# Altium PCB LPCB235R0.PcbDoc (part 1 of 7) (continued)
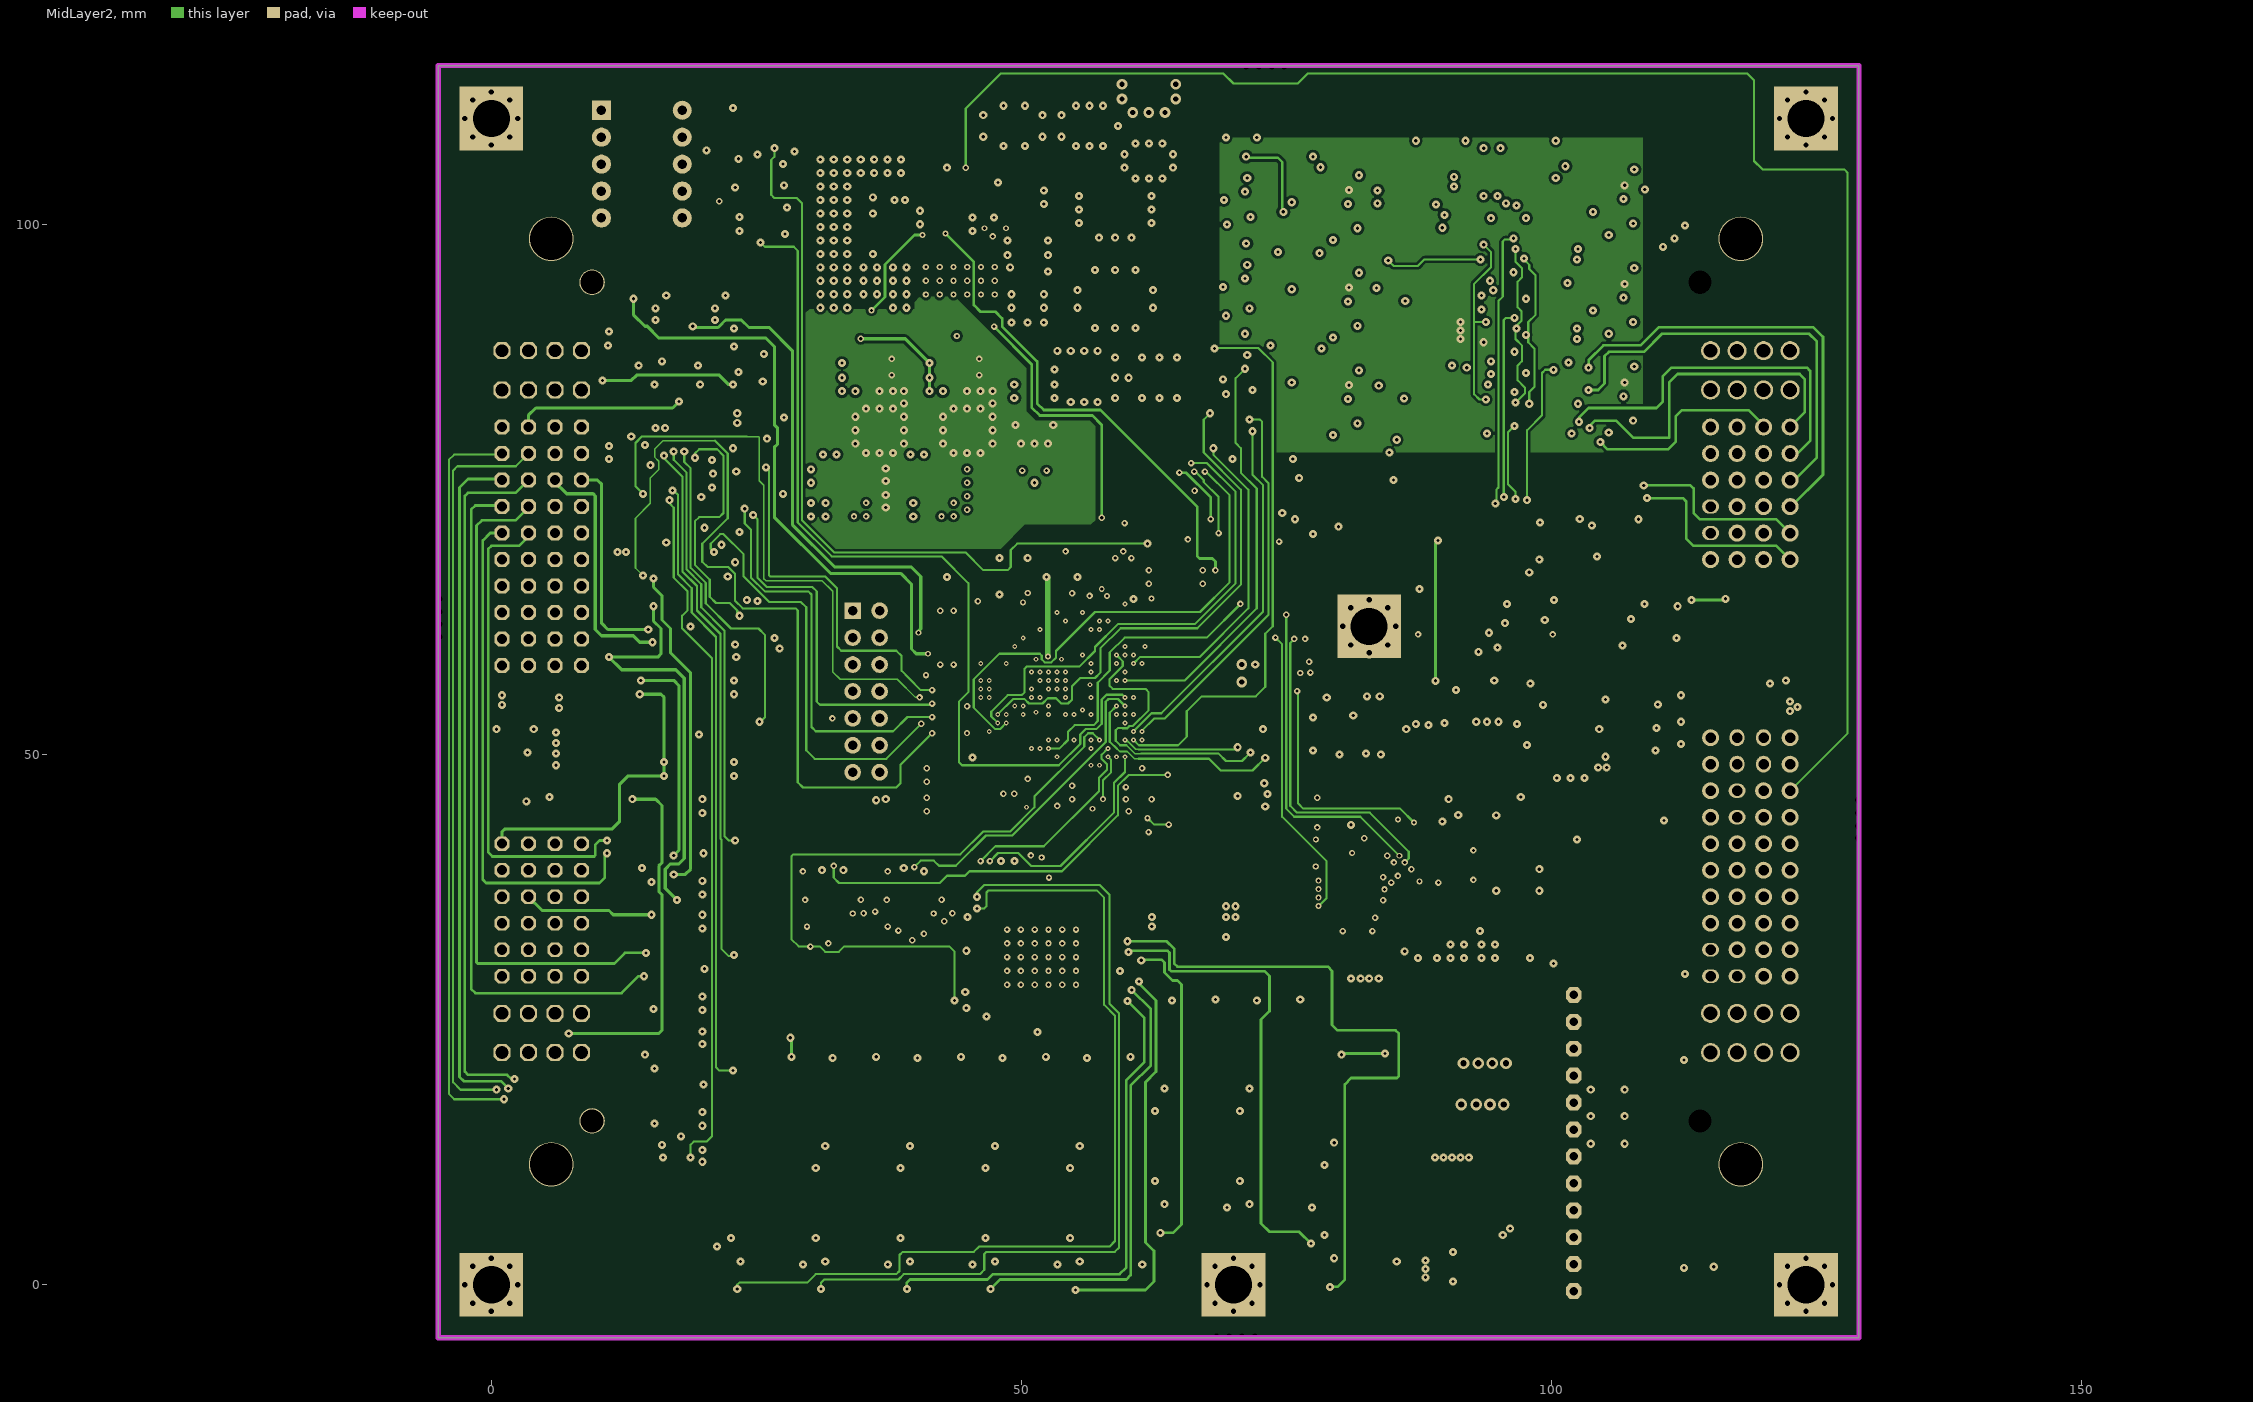
[diagram p4: MidLayer2]
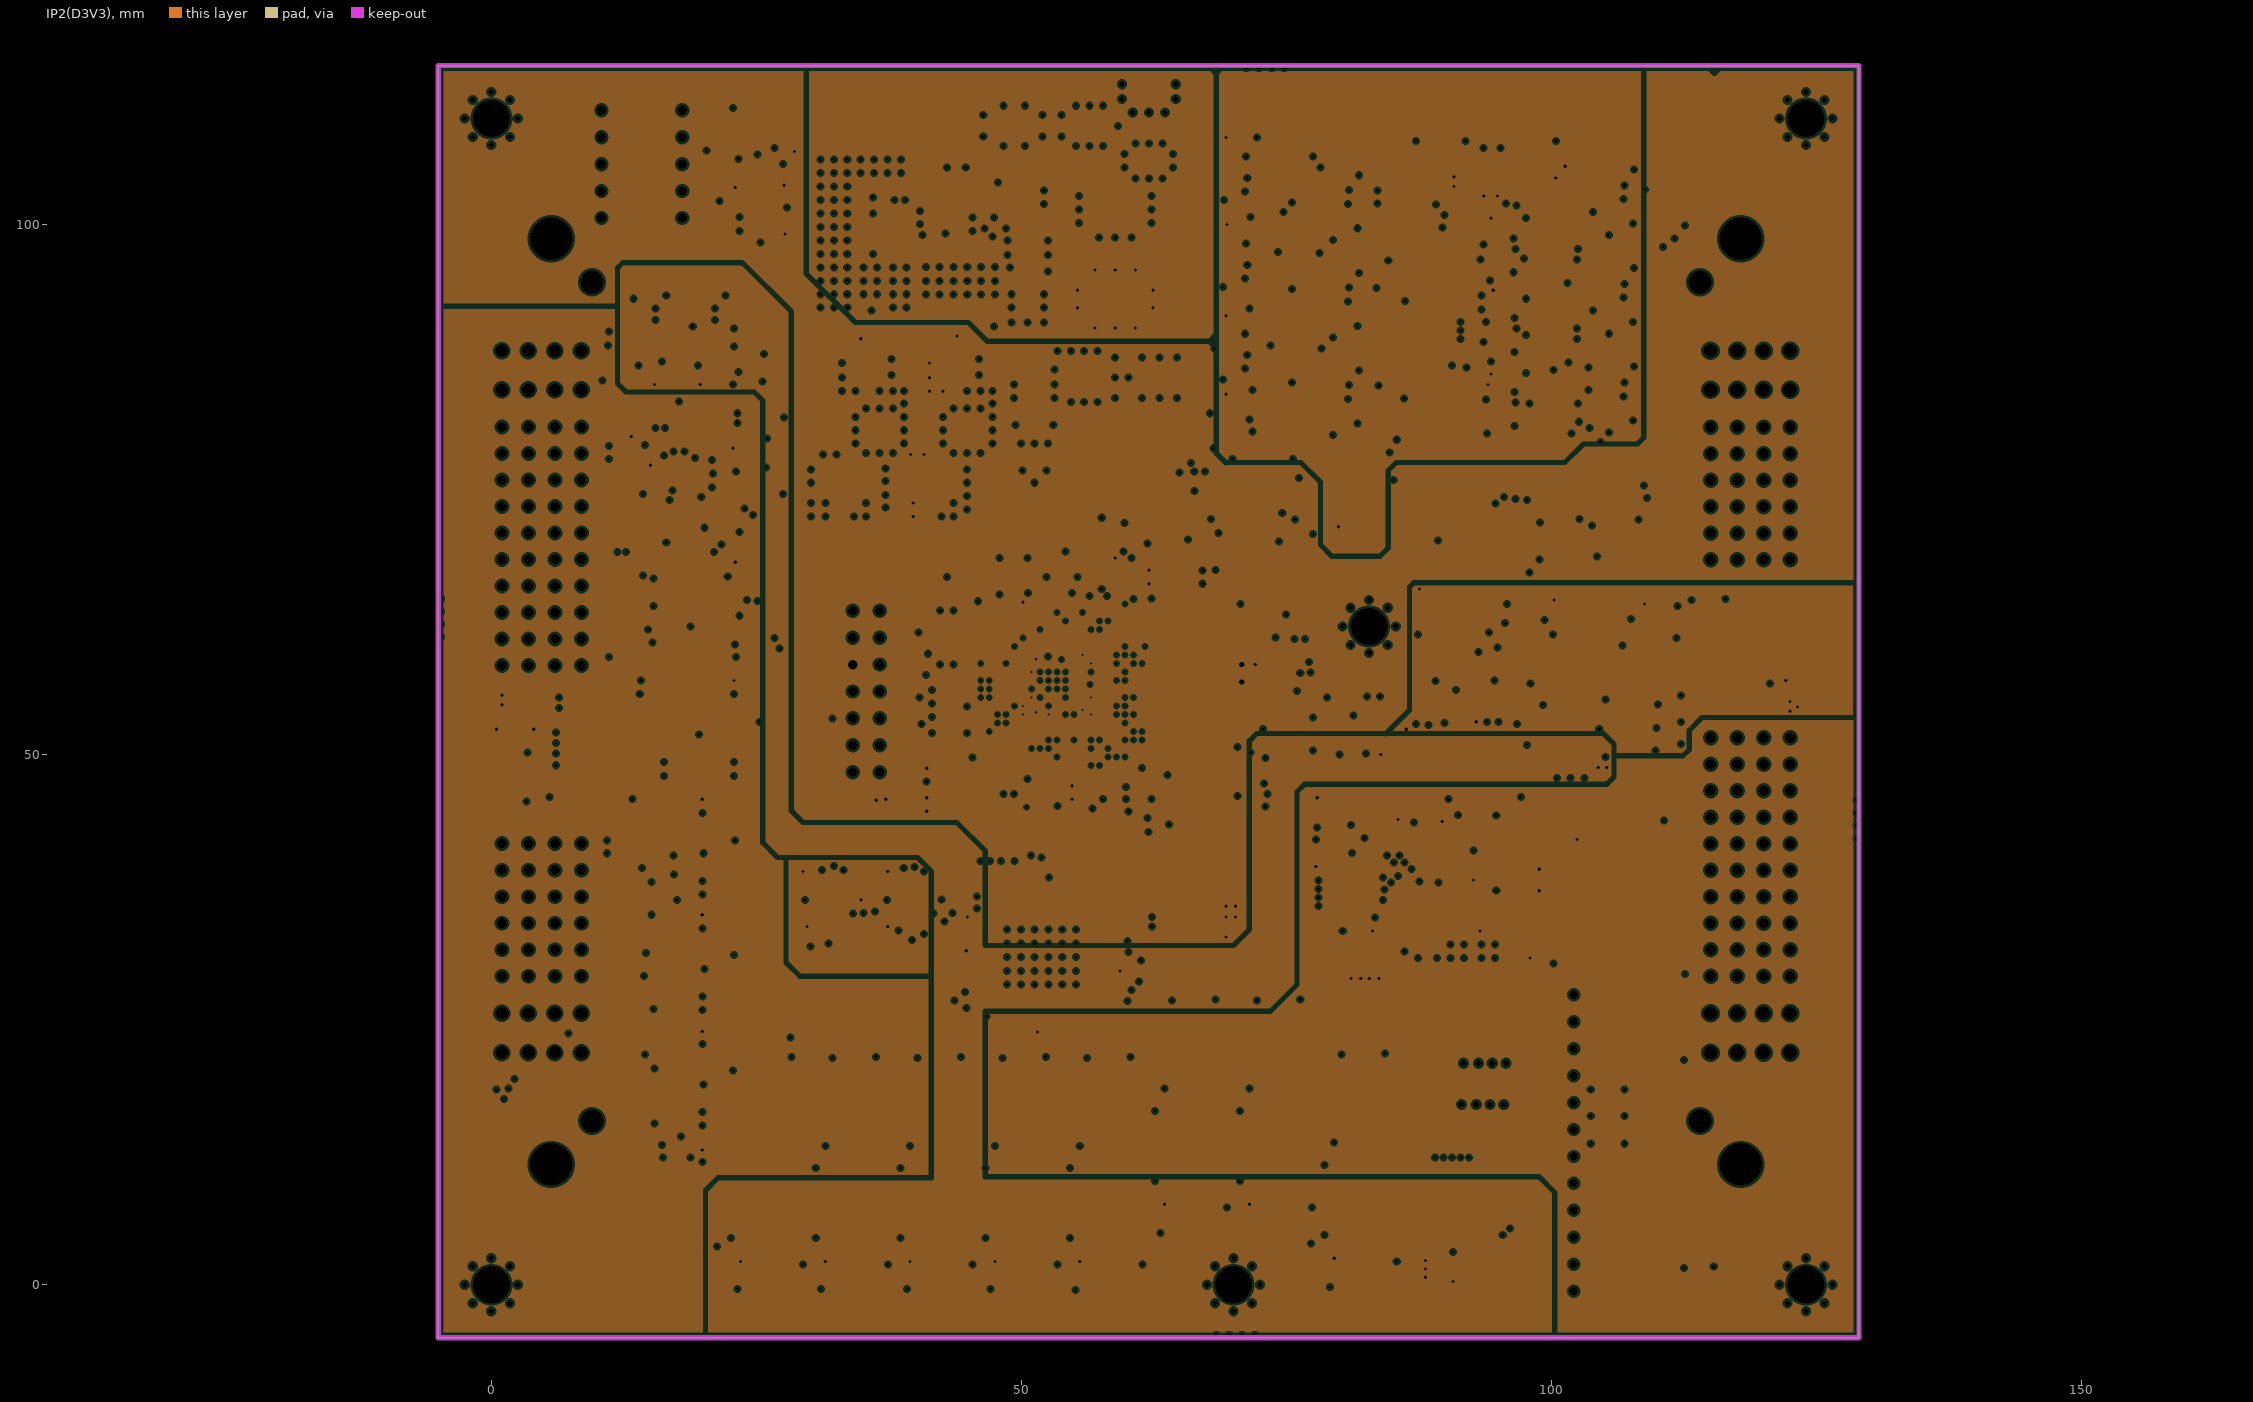
[diagram p5: IP2(D3V3), clearances drawn from the general rule]

## Layer stack, top to bottom
Top Layer: signal copper 0.0356
Dielectric: prepreg 0.3556, FR-4, Dk 4.8
IP1(DGND): plane copper 0.0356, net DGND
Dielectric: core 0.2286, FR-4, Dk 4.8
MidLayer1: signal copper 0.0356
Dielectric: prepreg 0.2413, FR-4, Dk 4.8
MidLayer2: signal copper 0.0356
Dielectric: core 0.2286, FR-4, Dk 4.8
IP2(D3V3): plane copper 0.0356, net (Multiple Nets)
Dielectric: prepreg 0.3556, FR-4, Dk 4.8
Bottom Layer: signal copper 0.0356

## Board outline
-5,-5 -5,115 129,115 129,-5

## Design rules (kind name [scope] priority, off if disabled: settings)
AssemblyTestPointUsage [All] p1 off:
AssemblyTestpoint [All] p1 off: testpointundercomponent=TRUE minsize=1.016 maxsize=2.54 preferedsize=1.524 minholesize=0 maxholesize=1.016 preferedholesize=0.813 testpointgrid=0.025 usegrid=TRUE gridtolerance=0 allowsidetop=TRUE allowsidebottom=TRUE
Clearance Diff_P [(InDifferentialPairClass('All Differential Pairs'))] p1: gap=0.152
Clearance BGA [(InComponentClass('BGA0.8'))] p2: gap=0.147
Clearance Clearance_poly [INPolygon] p3: gap=0.254
Clearance [All] p4: gap=0.178
ComponentClearance [All] p1 off: gap=0.1 collisioncheckmode=3 verticalgap=0.254 showdistances=FALSE
DiffPairsRouting [All] p1: maxlimit=0.152 minlimit=0.152 mostfreqgap=0.152 maxuncoupledlength=19.05
FabricationTestPointUsage TestPointUsage [All] p1 off: valid=0 allowmultiple=FALSE
FabricationTestpoint Testpoint [All] p1 off: side=3 testpointundercomponent=TRUE minsize=1.016 maxsize=2.54 preferedsize=1.524 minholesize=0 maxholesize=1.016 preferedholesize=0.813 testpointgrid=0.025 allowsidetop=TRUE allowsidebottom=TRUE usegrid=TRUE gridtolerance=0
Height [All] p1 off: minheight=0 maxheight=25.4 prefheight=12.7
HoleSize [All] p1: absolutevalues=TRUE maxlimit=9.2 minlimit=0.025 maxpercent=80.000 minpercent=20.000
MinimumSolderMaskSliver [All] p1 off: minsoldermaskwidth=0.051
PlaneClearance [All] p1: clearance=0.229
PlaneConnect PlaneConnect_Direct [(InPadClass('Direct_Plane'))] p1: planeconnectstyle=Direct reliefexpansion=0.508 reliefentries=4 reliefconductorwidth=0.254 reliefairgap=0.254
PlaneConnect PlaneConnect_Via [isvia] p2: planeconnectstyle=Direct reliefexpansion=0.508 reliefentries=4 reliefconductorwidth=0.254 reliefairgap=0.254
PlaneConnect [All] p3: planeconnectstyle=Relief reliefexpansion=0.508 reliefentries=4 reliefconductorwidth=0.254 reliefairgap=0.254
PolygonConnect PolygonConnect_1 [All vs IsNamedPolygon('SW_Mode')] p1: connectstyle=Direct reliefconductorwidth=0.254 reliefentries=4 polygonreliefangle="90 Angle" airgapwidth=0.254
PolygonConnect PolygonConnect_via [isvia] p2: connectstyle=Direct reliefconductorwidth=0.254 reliefentries=4 polygonreliefangle="90 Angle" airgapwidth=0.254
PolygonConnect [All] p3: connectstyle=Relief reliefconductorwidth=0.254 reliefentries=4 polygonreliefangle="90 Angle" airgapwidth=0.254
RoomDefinition "LPCB235 - RM48 - N2HET" [InComponentClass('LPCB235 - RM48 - N2HET')] p1: confinementstyle=ConfineIn formatcopy=TRUE lockcomponents=FALSE outline 130.2,-3.5 133.1,-3.5 133.1,-0.4 130.2,-0.4
RoomDefinition "LPCB235 - RM48 - ANALOG" [InComponentClass('LPCB235 - RM48 - ANALOG')] p2: confinementstyle=ConfineIn formatcopy=TRUE lockcomponents=FALSE outline 130.2,-3.5 133.1,-3.5 133.1,-0.4 130.2,-0.4
RoomDefinition "U_LPCB235 - HEC5-8" [InComponentClass('U_LPCB235 - HEC5-8')] p3: confinementstyle=ConfineIn formatcopy=TRUE lockcomponents=FALSE outline -47.2,-81.2 3.6,-81.2 3.6,-55.8 -47.2,-55.8
RoomDefinition "U_LPCB235 - HEC1-4" [InComponentClass('U_LPCB235 - HEC1-4')] p4: confinementstyle=ConfineIn formatcopy=TRUE lockcomponents=FALSE outline -47.2,-81.2 3.6,-81.2 3.6,-55.8 -47.2,-55.8
RoomDefinition "U_LPCB235 - ASI RS485" [InComponentClass('U_LPCB235 - ASI RS485')] p5: confinementstyle=ConfineIn formatcopy=TRUE lockcomponents=FALSE outline -47.2,-81.2 3.6,-81.2 3.6,-55.8 -47.2,-55.8
RoomDefinition ML2 [InComponentClass('ML2')] p6: confinementstyle=ConfineIn formatcopy=TRUE lockcomponents=FALSE outline 22.6,80.4 22.6,95.9 17.5,95.9 17.5,80.4
RoomDefinition ML1 [InComponentClass('ML1')] p7: confinementstyle=ConfineIn formatcopy=TRUE lockcomponents=FALSE outline 17,80.4 17,95.9 11.9,95.9 11.9,80.4
RoomDefinition "U_LPCB235 - G210 IF AND MUX" [InComponentClass('U_LPCB235 - G210 IF AND MUX')] p8: confinementstyle=ConfineIn formatcopy=TRUE lockcomponents=FALSE outline -47.2,-81.2 3.6,-81.2 3.6,-55.8 -47.2,-55.8
RoomDefinition "U_LPCB235 - WATCHDOG" [InComponentClass('U_LPCB235 - WATCHDOG')] p9: confinementstyle=ConfineIn formatcopy=TRUE lockcomponents=FALSE outline -47.2,-81.2 3.6,-81.2 3.6,-55.8 -47.2,-55.8
RoomDefinition "U_LPCB235 - DAC" [InComponentClass('U_LPCB235 - DAC')] p10: confinementstyle=ConfineIn formatcopy=TRUE lockcomponents=FALSE outline -47.2,-81.2 3.6,-81.2 3.6,-55.8 -47.2,-55.8
RoomDefinition "U_LPCB235 - AUX POWER" [InComponentClass('U_LPCB235 - AUX POWER')] p11: confinementstyle=ConfineIn formatcopy=TRUE lockcomponents=FALSE outline -47.2,-81.2 3.6,-81.2 3.6,-55.8 -47.2,-55.8
RoomDefinition "U_LPCB235 - BRAKE FAILSAFE" [InComponentClass('U_LPCB235 - BRAKE FAILSAFE')] p12: confinementstyle=ConfineIn formatcopy=TRUE lockcomponents=FALSE outline -47.2,-81.2 3.6,-81.2 3.6,-55.8 -47.2,-55.8
RoomDefinition "U_LPCB235 - BRAKE LIMIT SW" [InComponentClass('U_LPCB235 - BRAKE LIMIT SW')] p13: confinementstyle=ConfineIn formatcopy=TRUE lockcomponents=FALSE outline -47.2,-81.2 3.6,-81.2 3.6,-55.8 -47.2,-55.8
RoomDefinition "U_LPCB235 - PUSHER INTERLOCK" [InComponentClass('U_LPCB235 - PUSHER INTERLOCK')] p14: confinementstyle=ConfineIn formatcopy=TRUE lockcomponents=FALSE outline -47.2,-81.2 3.6,-81.2 3.6,-55.8 -47.2,-55.8
RoomDefinition "U_LPCB235 - CONTRAST LASERS" [InComponentClass('U_LPCB235 - CONTRAST LASERS')] p15: confinementstyle=ConfineIn formatcopy=TRUE lockcomponents=FALSE outline -47.2,-81.2 3.6,-81.2 3.6,-55.8 -47.2,-55.8
RoomDefinition "U_LPCB235 - ANALOG CONNECTOR" [InComponentClass('U_LPCB235 - ANALOG CONNECTOR')] p16: confinementstyle=ConfineIn formatcopy=TRUE lockcomponents=FALSE outline -47.2,-81.2 3.6,-81.2 3.6,-55.8 -47.2,-55.8
RoomDefinition "U_LPCB235 - SPI UART - GROUP B1" [InComponentClass('U_LPCB235 - SPI UART - GROUP B1')] p17: confinementstyle=ConfineIn formatcopy=TRUE lockcomponents=FALSE outline -47.2,-81.2 3.6,-81.2 3.6,-55.8 -47.2,-55.8
RoomDefinition TH8 [InComponentClass('TH8')] p18: confinementstyle=ConfineIn formatcopy=TRUE lockcomponents=FALSE outline 29.9,-1.45 29.9,23 22,23 22,-1.45
RoomDefinition TH7 [InComponentClass('TH7')] p19: confinementstyle=ConfineIn formatcopy=TRUE lockcomponents=FALSE outline 37.9,-1.45 37.9,23 30,23 30,-1.45
RoomDefinition TH6 [InComponentClass('TH6')] p20: confinementstyle=ConfineIn formatcopy=TRUE lockcomponents=FALSE outline 45.9,-1.45 45.9,23 38,23 38,-1.45
RoomDefinition TH5 [InComponentClass('TH5')] p21: confinementstyle=ConfineIn formatcopy=TRUE lockcomponents=FALSE outline 53.9,-1.45 53.9,23 46,23 46,-1.45
RoomDefinition TH4 [InComponentClass('TH4')] p22: confinementstyle=ConfineIn formatcopy=TRUE lockcomponents=FALSE outline 61.9,-1.45 61.9,23 54,23 54,-1.45
RoomDefinition TH3 [InComponentClass('TH3')] p23: confinementstyle=ConfineIn formatcopy=TRUE lockcomponents=FALSE outline 69.9,3.95 69.9,28.4 62,28.4 62,3.95
RoomDefinition TH2 [InComponentClass('TH2')] p24: confinementstyle=ConfineIn formatcopy=TRUE lockcomponents=FALSE outline 77.9,3.95 77.9,28.4 70,28.4 70,3.95
RoomDefinition TH1 [InComponentClass('TH1')] p25: confinementstyle=ConfineIn formatcopy=TRUE lockcomponents=FALSE outline 85.9,-1.15 85.9,23.3 78,23.3 78,-1.15
RoomDefinition "U_LPCB235 - SPI UART - GROUP B" [InComponentClass('U_LPCB235 - SPI UART - GROUP B')] p26: confinementstyle=ConfineIn formatcopy=TRUE lockcomponents=FALSE outline 68.225,84.625 77.125,84.625 77.125,109.425 68.225,109.425
RoomDefinition OGB3 [InComponentClass('OGB3')] p27: confinementstyle=ConfineIn formatcopy=TRUE lockcomponents=FALSE outline 77.2,96.7 86.4,96.7 86.4,105.9 77.2,105.9
RoomDefinition OGB2 [InComponentClass('OGB2')] p28: confinementstyle=ConfineIn formatcopy=TRUE lockcomponents=FALSE outline 77.2,87.5 86.4,87.5 86.4,96.7 77.2,96.7
RoomDefinition OGB1 [InComponentClass('OGB1')] p29: confinementstyle=ConfineIn formatcopy=TRUE lockcomponents=FALSE outline 77.2,78.3 86.4,78.3 86.4,87.5 77.2,87.5
RoomDefinition OGA3 [InComponentClass('OGA3')] p30: confinementstyle=ConfineIn formatcopy=TRUE lockcomponents=FALSE outline 103.4,106.2 103.4,96.9 112.3,96.9 112.3,106.2
RoomDefinition OGA2 [InComponentClass('OGA2')] p31: confinementstyle=ConfineIn formatcopy=TRUE lockcomponents=FALSE outline 103.4,96.9 103.4,87.6 112.3,87.6 112.3,96.9
RoomDefinition OGA1 [InComponentClass('OGA1')] p32: confinementstyle=ConfineIn formatcopy=TRUE lockcomponents=FALSE outline 103.4,87.6 103.4,78.3 112.3,78.3 112.3,87.6
RoomDefinition "U_LPCB235 - SPI UART - GROUP A" [InComponentClass('U_LPCB235 - SPI UART - GROUP A')] p33: confinementstyle=ConfineIn formatcopy=TRUE lockcomponents=FALSE outline 86.4,78.3 103.2,78.3 103.2,107.875 86.4,107.875
RoomDefinition "U_LPCB235 - MECHANICAL" [InComponentClass('U_LPCB235 - MECHANICAL')] p34: confinementstyle=ConfineIn formatcopy=TRUE lockcomponents=FALSE outline -47.2,-81.2 3.6,-81.2 3.6,-55.8 -47.2,-55.8
RoomDefinition "LPCB235 - RM48 - SERIAL" [InComponentClass('LPCB235 - RM48 - SERIAL')] p35: confinementstyle=ConfineIn formatcopy=TRUE lockcomponents=FALSE outline -47.2,-81.2 3.6,-81.2 3.6,-55.8 -47.2,-55.8
RoomDefinition "LPCB235 - POWER MANAGEMENT" [InComponentClass('LPCB235 - POWER MANAGEMENT')] p36: confinementstyle=ConfineIn formatcopy=TRUE lockcomponents=FALSE outline -47.2,-81.2 3.6,-81.2 3.6,-55.8 -47.2,-55.8
RoomDefinition "LPCB235 - MAGNETICS" [InComponentClass('LPCB235 - MAGNETICS')] p37: confinementstyle=ConfineIn formatcopy=TRUE lockcomponents=FALSE outline -47.2,-81.2 3.6,-81.2 3.6,-55.8 -47.2,-55.8
RoomDefinition "LPCB235 - IO Connector" [InComponentClass('LPCB235 - IO Connector')] p38: confinementstyle=ConfineIn formatcopy=TRUE lockcomponents=FALSE outline -47.2,-81.2 3.6,-81.2 3.6,-55.8 -47.2,-55.8
RoomDefinition "LPCB235 - IMU" [InComponentClass('LPCB235 - IMU')] p39: confinementstyle=ConfineIn formatcopy=TRUE lockcomponents=FALSE outline -47.2,-81.2 3.6,-81.2 3.6,-55.8 -47.2,-55.8
RoomDefinition "LPCB235 - CAN Interface" [InComponentClass('LPCB235 - CAN Interface')] p40: confinementstyle=ConfineIn formatcopy=TRUE lockcomponents=FALSE outline -47.2,-81.2 3.6,-81.2 3.6,-55.8 -47.2,-55.8
RoomDefinition "LPCB235 - RM48 - 100BASET" [InComponentClass('LPCB235 - RM48 - 100BASET')] p41: confinementstyle=ConfineOut formatcopy=TRUE lockcomponents=FALSE outline -31.96,-10.08 -19.26,-10.08 -19.26,-7.54 -31.96,-7.54
RoomDefinition "LPCB235 - RM48 - POWER" [InComponentClass('LPCB235 - RM48 - POWER')] p42: confinementstyle=ConfineOut formatcopy=TRUE lockcomponents=FALSE outline -31.96,-15.16 -19.26,-15.16 -19.26,-12.62 -31.96,-12.62
RoomDefinition "LPCB235 - RM48 - MAIN" [InComponentClass('LPCB235 - RM48 - MAIN')] p43: confinementstyle=ConfineOut formatcopy=TRUE lockcomponents=FALSE outline -31.96,-12.62 -19.26,-12.62 -19.26,-10.08 -31.96,-10.08
RoutingVias [All] p1: holewidth=0.3 width=0.61 viastyle="Through Hole" minholewidth=0.2 minwidth=0.457 maxholewidth=0.7 maxwidth=1.27
ShortCircuit ShortCircuit_1 [All] p1: allowed=FALSE
ShortCircuit [All] p2: allowed=FALSE
SilkToSilkClearance [All] p1 off: silktosilkclearance=0.254
SilkToSolderMaskClearance SilkscreenOverComponentPads [IsPad] p1: minsilkscreentomaskgap=0.025 clearancetoexposedcopper=TRUE
SolderMaskExpansion [All] p1: expansion=0.051
Width Width_1 [(InDifferentialPairClass('All Differential Pairs'))] p1: maxlimit=0.356 minlimit=0.356 preferedwidth=0.356
Width [All] p2: maxlimit=2.54 minlimit=0.152 preferedwidth=0.203
14 further rules are at their usual default settings.

## Classes and differential pairs
component class "LPCB235 - RM48 - N2HET": TP13 TP22 TP23
component class "LPCB235 - RM48 - ANALOG": TP12
net class MLP_A[1..2]: MLP_A1 MLP_A2
component class "U_LPCB235 - HEC5-8": C84 C85 C86 C90 C91 C92 C93 C94 IC29 IC30 IC31 IC40 R37 R38 R49 R57
component class "U_LPCB235 - HEC1-4": C22 C23 C75 C76 C77 C78 C79 C83 IC18 IC25 IC26 IC28 R30 R33 R34 R35 R36
component class "U_LPCB235 - ASI RS485": C3 C4 IC5 IC17 R9 R31 R32
component class BGA0.8: IC14
component class "U_LPCB235 - G210 IF AND MUX": C140 IC46
component class "U_LPCB235 - WATCHDOG": C137 IC42 R89
channel class "LPCB235 - HE ISO CHANNEL": TH1 TH2 TH3 TH4 TH5 TH6 TH7 TH8
net class HEC_SIG[1..8]: HEC_SIG1 HEC_SIG2 HEC_SIG3 HEC_SIG4 HEC_SIG5 HEC_SIG6 HEC_SIG7 HEC_SIG8
net class HEC_GND[1..8]: HEC_GND1 HEC_GND2 HEC_GND3 HEC_GND4 HEC_GND5 HEC_GND6 HEC_GND7 HEC_GND8
net class HEC_5V[1..8]: HEC_5V1 HEC_5V2 HEC_5V3 HEC_5V4 HEC_5V5 HEC_5V6 HEC_5V7 HEC_5V8
component class TH8: C128_TH8 C129_TH8 C134_TH8 IC38_TH8 IC39_TH8 R79_TH8 R80_TH8 R81_TH8 R82_TH8 R86_TH8 R87_TH8 R88_TH8
component class TH7: C128_TH7 C129_TH7 C134_TH7 IC38_TH7 IC39_TH7 R79_TH7 R80_TH7 R81_TH7 R82_TH7 R86_TH7 R87_TH7 R88_TH7
component class TH6: C128_TH6 C129_TH6 C134_TH6 IC38_TH6 IC39_TH6 R79_TH6 R80_TH6 R81_TH6 R82_TH6 R86_TH6 R87_TH6 R88_TH6
component class TH5: C128_TH5 C129_TH5 C134_TH5 IC38_TH5 IC39_TH5 R79_TH5 R80_TH5 R81_TH5 R82_TH5 R86_TH5 R87_TH5 R88_TH5
component class TH4: C128_TH4 C129_TH4 C134_TH4 IC38_TH4 IC39_TH4 R79_TH4 R80_TH4 R81_TH4 R82_TH4 R86_TH4 R87_TH4 R88_TH4
component class TH3: C128_TH3 C129_TH3 C134_TH3 IC38_TH3 IC39_TH3 R79_TH3 R80_TH3 R81_TH3 R82_TH3 R86_TH3 R87_TH3 R88_TH3
component class TH2: C128_TH2 C129_TH2 C134_TH2 IC38_TH2 IC39_TH2 R79_TH2 R80_TH2 R81_TH2 R82_TH2 R86_TH2 R87_TH2 R88_TH2
component class TH1: C128_TH1 C129_TH1 C134_TH1 IC38_TH1 IC39_TH1 R79_TH1 R80_TH1 R81_TH1 R82_TH1 R86_TH1 R87_TH1 R88_TH1
component class "U_LPCB235 - BRAKE LIMIT SW": C130 C131 C132 C133 C145 C146 C147 C148 IC43 IC52
component class "LPCB235 - RM48 - SERIAL": R84 R85 TP36 TP37 TP38
component class "LPCB235 - RM48 - POWER": C29 C30 C31 C32 C33 C34 C35 C36 C37 C38 C39 C40 C41 C42 C43 C44 C45 C46 C47 C48 C49 C50 C51 C52 C53 C54 C55 C56 C57 CT6 CT7 CT8 L1
component class "LPCB235 - RM48 - MAIN": C26 C27 C28 CN2 IC14 R11 R12 R13 R14 R15 R16 R17 R18 TP2 TP3 TP4 TP5 TP6 TP7 TP8 X1
component class "U_LPCB235 - PUSHER INTERLOCK": C98 C99 C100 C101 C102 C103 C104 C105 IC23 IC24
component class "LPCB235 - IMU": C2 C9 C10 C58 C87 C95 IC1 IC6
component class "LPCB235 - CAN Interface": C5 CT1 IC4 R3 R5
component class "LPCB235 - POWER MANAGEMENT": C59 C60 C61 C62 C63 C64 C65 C66 C67 C68 C69 C70 CE4 CE5 CT9 CT10 CT11 CT12 D4 D5 IC16 L2 Q1 Q2 R23 R24 R25 R26 R27 R28 R29 TP14 TP15 TP16 TP17 TP18 TP19 TP20 TP21
component class "LPCB235 - MAGNETICS": C108 C109 C110 C111 L3 R51 R52 R53 R54
component class "LPCB235 - RM48 - 100BASET": C19 C24 C89 C119 IC27 IC34 R41 R42 R43 R44 R45 R46 R47 R50 R56
component class "LPCB235 - IO Connector": CN1
pad class Direct_Plane: CN1-1H_A CN1-2G_A CN1-2H_A
component class "U_LPCB235 - MECHANICAL": FID1 FID2 FID3 LBL1 LBL2 MH1 MH2 MH3 MH4 MH5 MH6 SN1 SN2 SN3 SN4
component class "U_LPCB235 - SPI UART - GROUP A": C1 C6 C7 C8 C11 C12 C13 C15 C16 C17 D1 D2 IC2 IC7 IC8 IC9 IC10 IC13 R1 R2 R4 R7 R8 R19 R20
component class OGA1: C14_OGA1 IC3_OGA1 R21_OGA1 R39_OGA1
component class OGA2: C14_OGA2 IC3_OGA2 R21_OGA2 R39_OGA2
component class OGA3: C14_OGA3 IC3_OGA3 R21_OGA3 R39_OGA3
net class OPTONCDTA_GRN[1..3]: OPTONCDTA_GRN1 OPTONCDTA_GRN2 OPTONCDTA_GRN3
net class OPTONCDTA_GRY[1..3]: OPTONCDTA_GRY1 OPTONCDTA_GRY2 OPTONCDTA_GRY3
net class OPTONCDTA_PNK[1..3]: OPTONCDTA_PNK1 OPTONCDTA_PNK2 OPTONCDTA_PNK3
net class OPTONCDTA_TX[1..3]: OPTONCDTA_TX1 OPTONCDTA_TX2 OPTONCDTA_TX3
net class OPTONCDTA_YEL[1..3]: OPTONCDTA_YEL1 OPTONCDTA_YEL2 OPTONCDTA_YEL3
channel class "LPCB235 - OPTONCDT - GROUP A": OGA1 OGA2 OGA3
component class OGB1: C112_OGB1 IC32_OGB1 R62_OGB1 R63_OGB1
component class OGB2: C112_OGB2 IC32_OGB2 R62_OGB2 R63_OGB2
component class OGB3: C112_OGB3 IC32_OGB3 R62_OGB3 R63_OGB3
component class "U_LPCB235 - SPI UART - GROUP B": C18 C21 C88 IC11 IC21 IC22 R40 R55 R58 R59 R60 R61
net class OPTONCDTB_GRN[1..3]: OPTONCDTB_GRN1 OPTONCDTB_GRN2 OPTONCDTB_GRN3
net class OPTONCDTB_GRY[1..3]: OPTONCDTB_GRY1 OPTONCDTB_GRY2 OPTONCDTB_GRY3
net class OPTONCDTB_PNK[1..3]: OPTONCDTB_PNK1 OPTONCDTB_PNK2 OPTONCDTB_PNK3
net class OPTONCDTB_TX[1..3]: OPTONCDTB_TX1 OPTONCDTB_TX2 OPTONCDTB_TX3
net class OPTONCDTB_YEL[1..3]: OPTONCDTB_YEL1 OPTONCDTB_YEL2 OPTONCDTB_YEL3
channel class "LPCB235 - OPTONCDT - GROUP B": OGB1 OGB2 OGB3
component class "U_LPCB235 - SPI UART - GROUP B1": C113 C114 C115 C116 C117 IC33 IC35 R64 R65
component class "U_LPCB235 - CONTRAST LASERS": C118 IC36 R48 R67 R68 R69 R70 R71 R72 R73 R74 R75 R76 R77 TP24 TP25 TP26
component class "U_LPCB235 - DAC": C120 C121 C122 C123 C124 C125 C126 IC37 R78 TP1 TP9 TP10 TP11
component class "U_LPCB235 - BRAKE FAILSAFE": C143 C144 D10 IC49 IC50 IC51 RLY2 TP47 TP48 TP49
channel class "LPCB235 - MLP CHANNEL": MLPC1 MLPC2 MLPC3 MLPC4 MLPC5 MLPC6
component class "U_LPCB235 - ANALOG CONNECTOR": CN3 D11 D12
component class "U_LPCB235 - AUX POWER": C20 C71 C72 C73 C74 C80 C81 C82 C138 C139 CE1 CT2 CT3 CT13 CT14 D3 D6 D7 D9 D17 IC12 IC15 IC19 IC20 IC45 L4 PW2 R6 R10
net class MLP_420IN[1..6]: MLP_420IN1 MLP_420IN2
component class ML1: C141_ML1 C142_ML1 IC47_ML1 IC48_ML1 R22_ML1 R91_ML1 R92_ML1
component class ML2: C141_ML2 C142_ML2 IC47_ML2 IC48_ML2 R22_ML2 R91_ML2 R92_ML2
net class HE_THROTTLE[1..8]: HE_THROTTLE1 HE_THROTTLE2 HE_THROTTLE3 HE_THROTTLE4 HE_THROTTLE5 HE_THROTTLE6 HE_THROTTLE7 HE_THROTTLE8
net class OPTONCDTA_RX[1..3]: OPTONCDTA_RX1 OPTONCDTA_RX2 OPTONCDTA_RX3
net class OPTONCDTB_RX[1..3]: OPTONCDTB_RX1 OPTONCDTB_RX2 OPTONCDTB_RX3
differential pair TXD: +TXD_P -TXD_N
differential pair RXD: +RXD_P -RXD_N
differential pair ETHERNET_TX: +ETHERNET_TX_P -ETHERNET_TX_N
differential pair ETHERNET_RX: +ETHERNET_RX_P -ETHERNET_RX_N
